# KiCad board SenseBarnacle.kicad_pcb (continued)
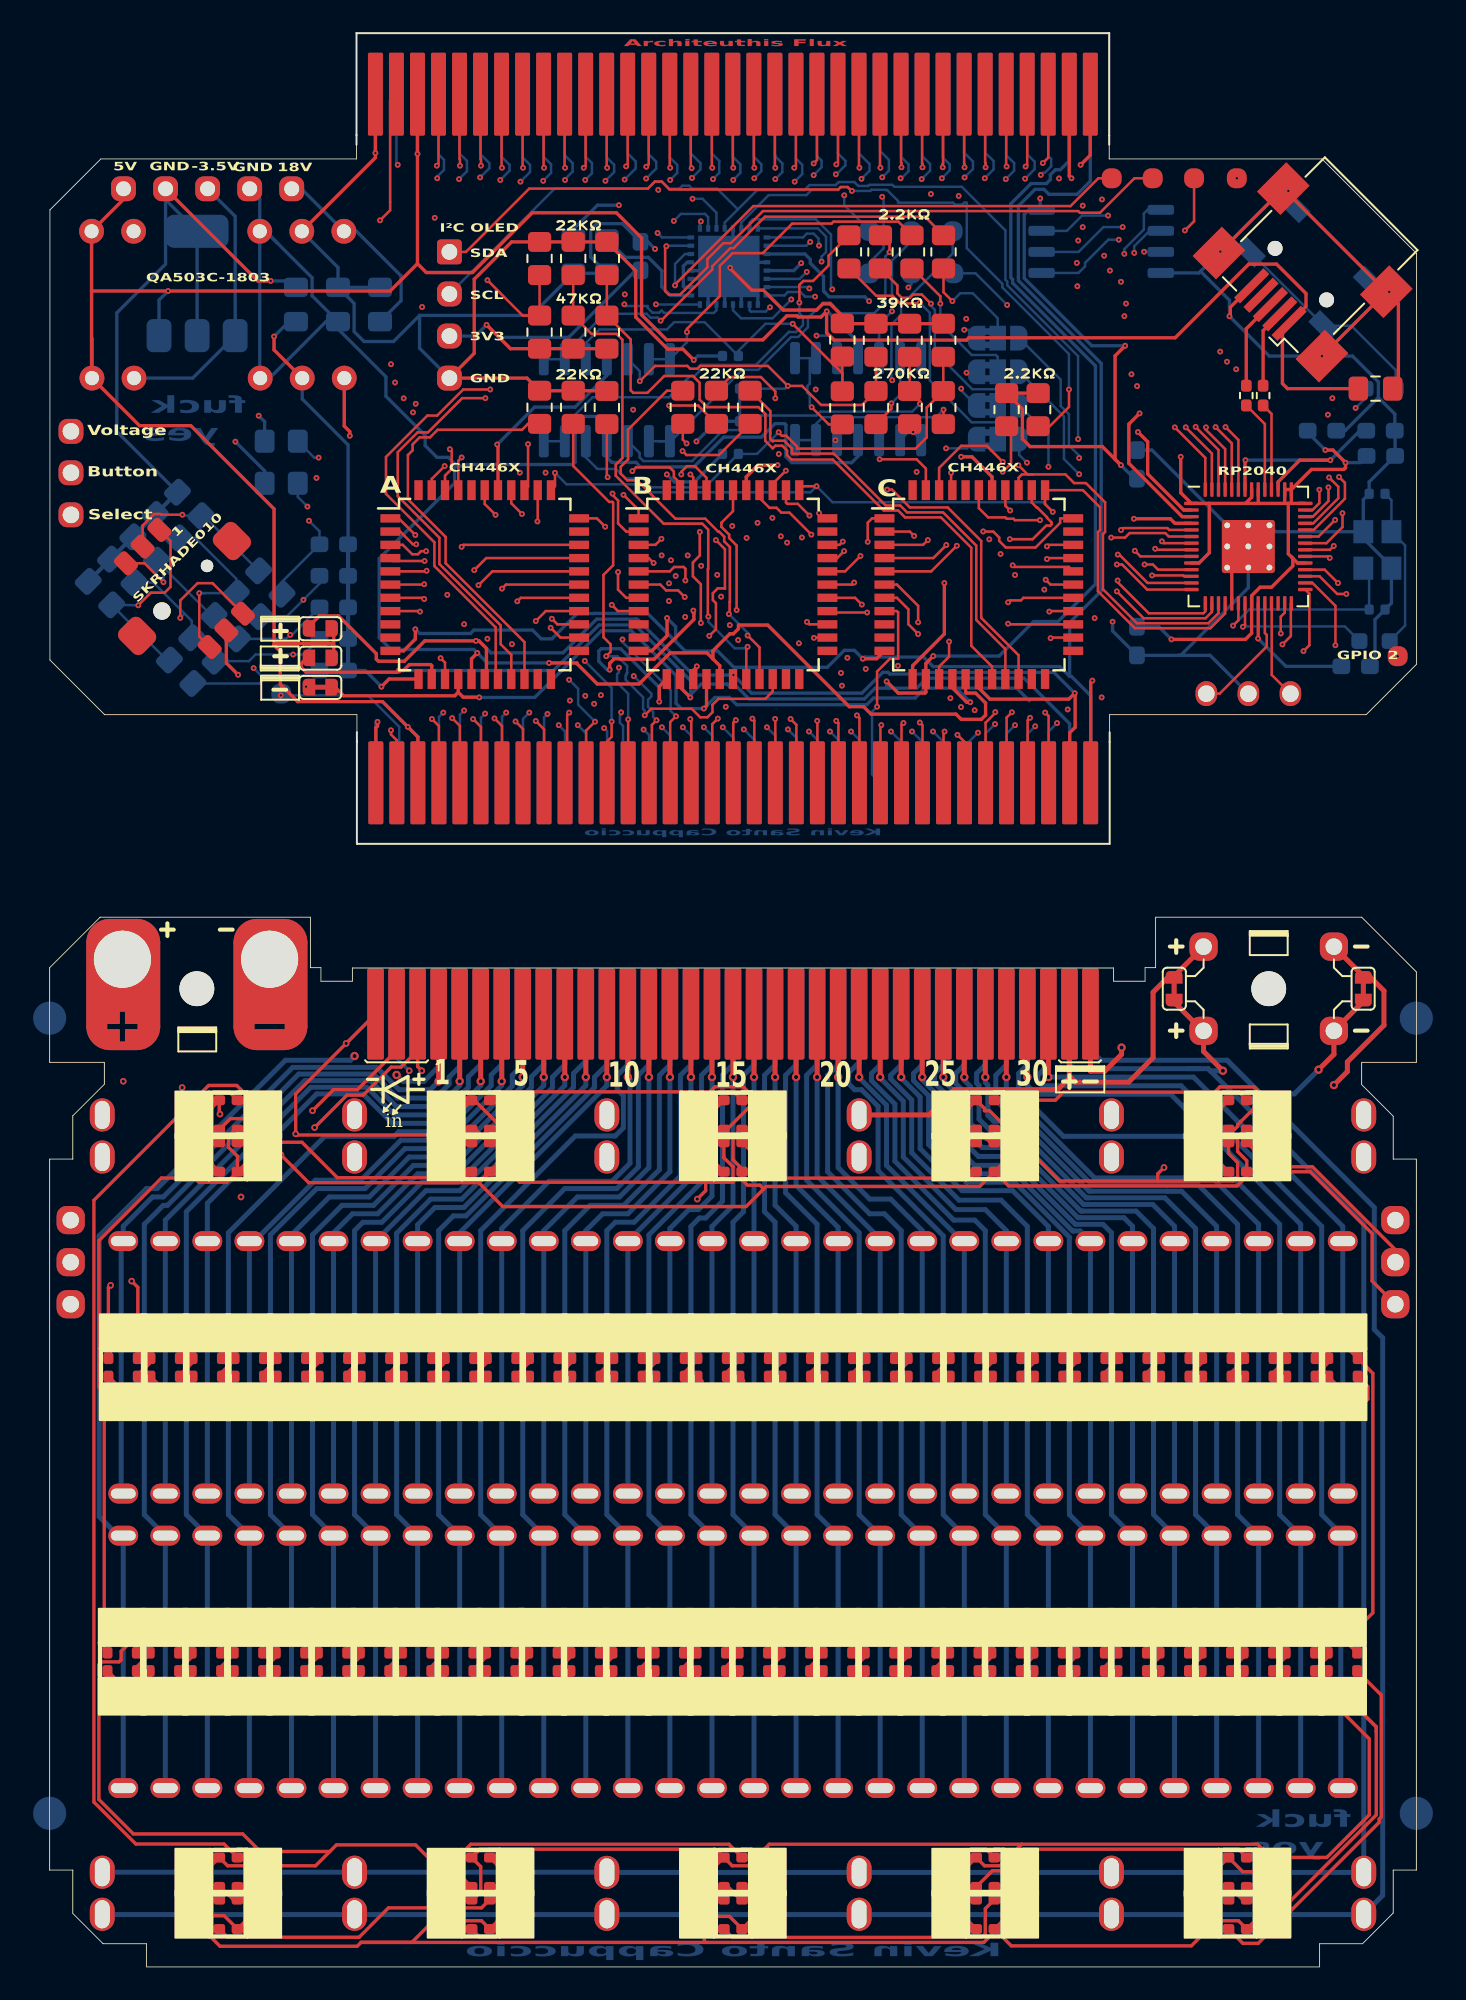
[diagram p0: board, top side]
## Footprints (pads in the part's own frame, mm; a bottom-side part is the same pattern mirrored in y, then rotated) (continued)
  rrect 1.35x1 smd rot 135: 1(-1.52,3.536) 2(-2.528,2.528) 3(-3.536,1.52) 4(3.536,-1.52) 5(2.528,-2.528) 6(1.52,-3.536)
HEE70LP03BK
  rrect 1x5.5 smd: 1(-17.78,1.524) 2(-16.51,1.524) 3(-15.24,1.524) 4(-13.97,1.524) 5(-12.7,1.524) 6(-11.43,1.524) 7(-10.16,1.524) 8(-8.89,1.524) 9(-7.62,1.524) 10(-6.35,1.524) 11(-5.08,1.524) 12(-3.81,1.524) 13(-2.54,1.524) 14(-1.27,1.524) 15(0,1.524) 16(1.27,1.524) 17(2.54,1.524) 18(3.81,1.524) 19(5.08,1.524) 20(6.35,1.524) 21(7.62,1.524) 22(8.89,1.524) 23(10.16,1.524) 24(11.43,1.524) 25(12.7,1.524) 26(13.97,1.524) 27(15.24,1.524) 28(16.51,1.524) 29(17.78,1.524) 30(19.05,1.524) 61(20.32,1.524) 62(21.59,1.524) 68(-21.59,1.524) 69(-20.32,1.524) 70(-19.05,1.524)
  rrect 1x5.5 smd far side: 31(-17.78,1.524) 32(-16.51,1.524) 33(-15.24,1.524) 34(-13.97,1.524) 35(-12.7,1.524) 36(-11.43,1.524) 37(-10.16,1.524) 38(-8.89,1.524) 39(-7.62,1.524) 40(-6.35,1.524) 41(-5.08,1.524) 42(-3.81,1.524) 43(-2.54,1.524) 44(-1.27,1.524) 45(0,1.524) 46(1.27,1.524) 47(2.54,1.524) 48(3.81,1.524) 49(5.08,1.524) 50(6.35,1.524) 51(7.62,1.524) 52(8.89,1.524) 53(10.16,1.524) 54(11.43,1.524) 55(12.7,1.524) 56(13.97,1.524) 57(15.24,1.524) 58(16.51,1.524) 59(17.78,1.524) 60(19.05,1.524) 63(20.32,1.524) 64(21.59,1.524) 65(-21.59,1.524) 66(-20.32,1.524) 67(-19.05,1.524)
HEE70LP03BK_Daughter_Penis
  rrect 0.9x5 smd far side: 1(-17.78,-2.667) 2(-16.51,-2.667) 3(-15.24,-2.667) 4(-13.97,-2.667) 5(-12.7,-2.667) 6(-11.43,-2.667) 7(-10.16,-2.667) 8(-8.89,-2.667) 9(-7.62,-2.667) 10(-6.35,-2.667) 11(-5.08,-2.667) 12(-3.81,-2.667) 13(-2.54,-2.667) 14(-1.27,-2.667) 15(0,-2.667) 16(1.27,-2.667) 17(2.54,-2.667) 18(3.81,-2.667) 19(5.08,-2.667) 20(6.35,-2.667) 21(7.62,-2.667) 22(8.89,-2.667) 23(10.16,-2.667) 24(11.43,-2.667) 25(12.7,-2.667) 26(13.97,-2.667) 27(15.24,-2.667) 28(16.51,-2.667) 29(17.78,-2.667) 30(19.05,-2.667) 61(20.32,-2.667) 62(21.59,-2.667) 68(-21.59,-2.667) 69(-20.32,-2.667) 70(-19.05,-2.667)
  rrect 0.9x5 smd: 31(-17.78,-2.667) 32(-16.51,-2.667) 33(-15.24,-2.667) 34(-13.97,-2.667) 35(-12.7,-2.667) 36(-11.43,-2.667) 37(-10.16,-2.667) 38(-8.89,-2.667) 39(-7.62,-2.667) 40(-6.35,-2.667) 41(-5.08,-2.667) 42(-3.81,-2.667) 43(-2.54,-2.667) 44(-1.27,-2.667) 45(0,-2.667) 46(1.27,-2.667) 47(2.54,-2.667) 48(3.81,-2.667) 49(5.08,-2.667) 50(6.35,-2.667) 51(7.62,-2.667) 52(8.89,-2.667) 53(10.16,-2.667) 54(11.43,-2.667) 55(12.7,-2.667) 56(13.97,-2.667) 57(15.24,-2.667) 58(16.51,-2.667) 59(17.78,-2.667) 60(19.05,-2.667) 63(20.32,-2.667) 64(21.59,-2.667) 65(-21.59,-2.667) 66(-20.32,-2.667) 67(-19.05,-2.667)
HEE70LP03BK_Daughter_Penis_Top
  rrect 0.9x5 smd far side: 1(-17.78,2.54) 2(-16.51,2.54) 3(-15.24,2.54) 4(-13.97,2.54) 5(-12.7,2.54) 6(-11.43,2.54) 7(-10.16,2.54) 8(-8.89,2.54) 9(-7.62,2.54) 10(-6.35,2.54) 11(-5.08,2.54) 12(-3.81,2.54) 13(-2.54,2.54) 14(-1.27,2.54) 15(0,2.54) 16(1.27,2.54) 17(2.54,2.54) 18(3.81,2.54) 19(5.08,2.54) 20(6.35,2.54) 21(7.62,2.54) 22(8.89,2.54) 23(10.16,2.54) 24(11.43,2.54) 25(12.7,2.54) 26(13.97,2.54) 27(15.24,2.54) 28(16.51,2.54) 29(17.78,2.54) 30(19.05,2.54) 61(20.32,2.54) 62(21.59,2.54) 68(-21.59,2.54) 69(-20.32,2.54) 70(-19.05,2.54)
  rrect 0.9x5 smd: 31(-17.78,2.54) 32(-16.51,2.54) 33(-15.24,2.54) 34(-13.97,2.54) 35(-12.7,2.54) 36(-11.43,2.54) 37(-10.16,2.54) 38(-8.89,2.54) 39(-7.62,2.54) 40(-6.35,2.54) 41(-5.08,2.54) 42(-3.81,2.54) 43(-2.54,2.54) 44(-1.27,2.54) 45(0,2.54) 46(1.27,2.54) 47(2.54,2.54) 48(3.81,2.54) 49(5.08,2.54) 50(6.35,2.54) 51(7.62,2.54) 52(8.89,2.54) 53(10.16,2.54) 54(11.43,2.54) 55(12.7,2.54) 56(13.97,2.54) 57(15.24,2.54) 58(16.51,2.54) 59(17.78,2.54) 60(19.05,2.54) 63(20.32,2.54) 64(21.59,2.54) 65(-21.59,2.54) 66(-20.32,2.54) 67(-19.05,2.54)
LED_WS2812B-2020_PLCC4_2.0x2.0mm
  rrect 0.7x0.6 smd: 1(-0.55,-0.889) 2(0.55,-0.889) 3(0.55,0.889) 4(-0.55,0.889)
LQFP44_Tight
  rect 1.2x0.5 smd: 1(-6.106,3.599) 2(-6.106,2.799) 3(-6.106,1.999) 4(-6.106,1.199) 5(-6.106,0.399) 6(-6.106,-0.401) 7(-6.106,-1.201) 8(-6.106,-2.001) 9(-6.106,-2.801) 10(-6.106,-3.601) 11(-6.106,-4.401) 23(5.294,-4.401) 24(5.294,-3.601) 25(5.294,-2.801) 26(5.294,-2.001) 27(5.294,-1.201) 28(5.294,-0.401) 29(5.294,0.399) 30(5.294,1.199) 31(5.294,1.999) 32(5.294,2.799) 33(5.294,3.599)
  rect 0.5x1.2 smd: 12(-4.406,-6.101) 13(-3.606,-6.101) 14(-2.806,-6.101) 15(-2.006,-6.101) 16(-1.206,-6.101) 17(-0.406,-6.101) 18(0.394,-6.101) 19(1.194,-6.101) 20(1.994,-6.101) 21(2.794,-6.101) 22(3.594,-6.101) 34(3.594,5.299) 35(2.794,5.299) 36(1.994,5.299) 37(1.194,5.299) 38(0.394,5.299) 39(-0.406,5.299) 40(-1.206,5.299) 41(-2.006,5.299) 42(-2.806,5.299) 43(-3.606,5.299) 44(-4.406,5.299)
MountingHole_2.7mm_M2.5
  round 2.1 hole 2.1 unplated: (0,0)
Pad_Clip_Banana_Minus
  round 4 hole 3.45: 1(0,0)
Pad_Clip_Banana_PlusSmaller
  round 4 hole 3.45: 1(0,0)
PINHEADER-1x1_vertical
  rrect 1.5x1.5 hole 1: 1(0,0)
PinHeader_1x01_P2.54mm_Vertical_Rounded
  rrect 1.7x1.7 hole 1: 1(0,0)
PinHeader_1x03_P2.54mm_Vertical
  oval 1.5x1.3 hole 1: 1(0,0) 2(0,-2.54) 3(0,-5.08)
PinHeader_1x04_P2.54mm_Vertical
  rrect 1.5x1.5 hole 0.95: 1(0,0) 2(0,-2.54) 3(0,-5.08) 4(0,-7.62)
PinHeader_1x05_P2.54mm_Vertical
  rrect 1.5x1.5 hole 0.9: 1(0,0) 2(0,-2.54) 3(0,-5.08) 4(0,-7.62) 5(0,-10.16)
QA503C
  round 1.5 hole 0.85: 1(-7.62,0) 2(-5.08,0) 3(2.54,0) 4(5.08,0) 5(7.62,0)
R_0402_1005Metric_Pad0.72x0.64mm_HandSolder
  rrect 0.715x0.64 smd: 1(-0.598,0) 2(0.598,0)
R_0603_1608Metric_Pad0.98x0.95mm_HandSolder
  rrect 0.975x0.95 smd: 1(-0.912,0) 2(0.912,0)
R_0805_2012Metric_Pad1.20x1.40mm_HandSolder
  rrect 1.2x1.4 smd: 1(-1,0) 2(1,0)
RP2040-QFN-56
  rrect 1.084x1.084 smd: (-0.637,0.637) (-0.637,-0.637) (0.637,0.637) (0.637,-0.637)
  rrect 0.875x0.2 smd: 1(-3.438,2.6) 2(-3.438,2.2) 3(-3.438,1.8) 4(-3.438,1.4) 5(-3.438,1) 6(-3.438,0.6) 7(-3.438,0.2) 8(-3.438,-0.2) 9(-3.438,-0.6) 10(-3.438,-1) 11(-3.438,-1.4) 12(-3.438,-1.8) 13(-3.438,-2.2) 14(-3.438,-2.6) 29(3.438,-2.6) 30(3.438,-2.2) 31(3.438,-1.8) 32(3.438,-1.4) 33(3.438,-1) 34(3.438,-0.6) 35(3.438,-0.2) 36(3.438,0.2) 37(3.438,0.6) 38(3.438,1) 39(3.438,1.4) 40(3.438,1.8) 41(3.438,2.2) 42(3.438,2.6)
  rrect 0.2x0.875 smd: 15(-2.6,-3.438) 16(-2.2,-3.438) 17(-1.8,-3.438) 18(-1.4,-3.438) 19(-1,-3.438) 20(-0.6,-3.438) 21(-0.2,-3.438) 22(0.2,-3.438) 23(0.6,-3.438) 24(1,-3.438) 25(1.4,-3.438) 26(1.8,-3.438) 27(2.2,-3.438) 28(2.6,-3.438) 43(2.6,3.438) 44(2.2,3.438) 45(1.8,3.438) 46(1.4,3.438) 47(1,3.438) 48(0.6,3.438) 49(0.2,3.438) 50(-0.2,3.438) 51(-0.6,3.438) 52(-1,3.438) 53(-1.4,3.438) 54(-1.8,3.438) 55(-2.2,3.438) 56(-2.6,3.438)
  round 0.6 hole 0.35: 57(-1.275,1.275) 57(-1.275,0) 57(-1.275,-1.275) 57(0,1.275) 57(0,0) 57(0,-1.275) 57(1.275,1.275) 57(1.275,0) 57(1.275,-1.275)
  rrect 3.2x3.2 smd: 57(0,0)
SOIC-8_5.23x5.23mm_P1.27mm
  rrect 1.6x0.6 smd: 1(-3.6,1.905) 2(-3.6,0.635) 3(-3.6,-0.635) 4(-3.6,-1.905) 5(3.6,-1.905) 6(3.6,-0.635) 7(3.6,0.635) 8(3.6,1.905)
SOIC-14_3.9x8.7mm_P1.27mm
  rrect 1.95x0.6 smd: 1(-2.475,3.81) 2(-2.475,2.54) 3(-2.475,1.27) 4(-2.475,0) 5(-2.475,-1.27) 6(-2.475,-2.54) 7(-2.475,-3.81) 8(2.475,-3.81) 9(2.475,-2.54) 10(2.475,-1.27) 11(2.475,0) 12(2.475,1.27) 13(2.475,2.54) 14(2.475,3.81)
SolderJumper-3_P1.3mm_Bridged2Bar12_RoundedPad1.0x1.5mm
  custom 1.05x1.5 smd: 1(-1.3,0) 3(1.3,0)
  rect 1x1.5 smd: 2(0,0)
SolderJumper_2_Bridged_Small
  custom 1.704x1.016 smd: 1(-0.813,0)
  custom 0.762x1.016 smd: 2(0.813,0)
SolderJumper_2_Open_Small
  custom 0.75x1 smd: 1(-0.813,-0.007) 2(0.813,-0.007)
SOT-223-3_TabPin2
  rrect 2x1.5 smd: 1(-3.15,2.3) 2(-3.15,0) 3(-3.15,-2.3)
  rrect 2x3.8 smd: 2(3.15,0)
SW_SPST_TL3342
  rect 1.7x1 smd: 1(-3.15,1.9) 1(3.15,1.9) 2(-3.15,-1.9) 2(3.15,-1.9)
TestPoint_D0.75mm
  rrect 1.2x1.2 smd: 1(0,0)
unnamed
  round 2 smd far side: 1(0,0)
USB_Mini-B_Wuerth_65100516121_Horizontal
  round 0.9 hole 0.9 unplated: (-2.2,0) (2.2,0)
  rect 0.5x2.5 smd: 1(-1.6,2.6) 2(-0.8,2.6) 3(0,2.6) 4(0.8,2.6) 5(1.6,2.6)
  rect 2x2.5 smd: 6(-4.4,2.6) 6(-4.4,-2.9) 6(4.4,2.6) 6(4.4,-2.9)

## Nets
+1V1: C3.1 C4.1 U9.23 U9.45 U9.50
+3V3: C2.1 C5.1 C9.1 C10.1 C11.1 C12.1 J3.2 J5.3 R5.2 R8.1 R18.1 R20.1 R29.2 R31.2 R33.2 R35.1 R36.1 R37.2 U3.2 U6.3 U8.8 U9.1 U9.10 U9.22 U9.33 U9.42 U9.43 U9.44 U9.48 U9.49
+18V: C8.1 J3.5 U2.4 U5.5 U12.5 U13.38 U14.38 U15.38
-3.5V: C13.2 J3.4 U1.11 U2.11 U5.3 U12.3 U13.16 U14.16 U15.16
1: J6.31 J7.31 U13.31
2: J6.32 J7.32 U13.30
3: J6.33 J7.33 U13.29
4: J6.34 J7.34 U13.28
5: J6.35 J7.35 U13.27
6: J6.36 J7.36 U13.26
7: J6.37 J7.37 U13.3
8: J6.38 J7.38 U13.4
9: J6.39 J7.39 U13.5
10: J6.40 J7.40 U13.6
11: J6.41 J7.41 U13.7
12: J6.42 J7.42 U13.8
13: J6.43 J7.43 U13.25
14: J6.44 J7.44 U13.24
15: J6.45 J7.45 U13.1
16: J6.46 J7.46 U13.2
17: J6.47 J7.47 U13.33
18: J6.48 J7.48 U13.35
19: J6.49 J7.49 U13.37
20: J6.50 J7.50 U13.39
21: J6.51 J7.51 U14.31
22: J6.52 J7.52 U14.30
23: J6.53 J7.53 U14.29
24: J6.54 J7.54 U14.28
25: J6.55 J7.55 U14.27
26: J6.56 J7.56 U14.26
27: J6.57 J7.57 U14.3
28: J6.58 J7.58 U14.4
29: J6.59 J7.59 U14.5
30: J6.60 J7.60 U14.6
31: J6.1 J7.1 U14.7
32: J6.2 J7.2 U14.8
33: J6.3 J7.3 U14.25
34: J6.4 J7.4 U14.24
35: J6.5 J7.5 U14.1
36: J6.6 J7.6 U14.2
37: J6.7 J7.7 U14.33
38: J6.8 J7.8 U14.35
39: J6.9 J7.9 U14.37
40: J6.10 J7.10 U14.39
41: J6.11 J7.11 U15.31
42: J6.12 J7.12 U15.30
43: J6.13 J7.13 U15.29
44: J6.14 J7.14 U15.28
45: J6.15 J7.15 U15.27
46: J6.16 J7.16 U15.26
47: J6.17 J7.17 U15.3
48: J6.18 J7.18 U15.4
49: J6.19 J7.19 U15.5
50: J6.20 J7.20 U15.6
51: J6.21 J7.21 U15.7
52: J6.22 J7.22 U15.8
53: J6.23 J7.23 U15.25
54: J6.24 J7.24 U15.24
55: J6.25 J7.25 U15.1
56: J6.26 J7.26 U15.2
57: J6.27 J7.27 U15.33
58: J6.28 J7.28 U15.35
59: J6.29 J7.29 U15.37
60: J6.30 J7.30 U15.39
/QSPI_SCLK: U8.6 U9.52
/QSPI_SD0: U8.5 U9.53
/QSPI_SD1: U8.2 U9.55
/QSPI_SD2: U8.3 U9.54
/QSPI_SD3: U8.7 U9.51
/QSPI_SS: R4.1 U8.1 U9.56
/RUN: U9.26
/SWCLK: J2.1 U9.24
/SWD: J2.3 U9.25
/USB_D+: J1.3 R1.1
/USB_D-: J1.2 R2.1
/XIN: C6.1 U9.20 Y1.1
/XOUT: R7.1 U9.21
/~{USB_BOOT}: R4.2 SW1.2
ADC_0: JP5.1 U6.16
ADC_0_RP: JP5.3 U9.38
ADC_1: JP4.1 U6.14
ADC_1_RP: JP4.3 U9.39
ADC_2: JP3.1 U6.12
ADC_2_RP: JP3.3 U9.40
ADC_3: JP2#2.1 U6.10
ADC_3_RP: JP2#2.3 U9.41
AOUT1L: R23.2 TP4.1 U6.22
AOUT1R: R22.2 TP3.1 U6.23
AOUT2L: R24.2 TP2.1 U6.24
AOUT2R: TP1.1 U6.25
BICK: U6.7 U9.11
BOTTOM_RAIL_NEG: J6.62 J7.62 U13.11 U14.11 U15.11
BOTTOM_RAIL_POS: J6.61 J7.61 JP6.1 U13.13 U14.13 U15.13
Button_Probe: R28.2 TP7.1
CAD/CSN: U6.27 U9.7
CLK: U9.18 U13.34 U14.34 U15.34
CS_A: U9.27 U13.14
CS_B: U9.28 U14.14
CS_C: U9.29 U15.14
DATA: U9.17 U13.36 U14.36 U15.36
GPI0_2: TP16#2.1 U9.4
I2C_SCL: J5.2 R36.2 U6.28 U9.32
I2C_SDA: J5.1 R35.2 U6.30 U9.31
LED_5V: C1.1 D1.4 D2.4 D3.4 D4.4 D5.4 D6.4 D7.4 D8.4 D9.4 D10.4 D11.4 D12.4 D13.4 D14.4 D15.4 D16.4 D17.4 D18.4 D19.4 D20.4 D21.4 D22.4 D23.4 D24.4 D25.4 D26.4 D27.4 D28.4 D29.4 D30.4 D31.4 D32.4 D33.4 D34.4 D35.4 D36.4 D37.4 D38.4 D39.4 D40.4 D41.4 D42.4 D43.4 D44.4 D45.4 D46.4 D47.4 D48.4 D49.4 D50.4 D51.4 D52.4 D53.4 D54.4 D55.4 D56.4 D57.4 D58.4 D59.4 D60.4 D71.4 D72.4 D73.4 D74.4 D75.4 D76.4 D77.4 D78.4 D79.4 D80.4 D81.4 D82.4 D83.4 D84.4 D85.4 D86.4 D87.4 D88.4 D89.4 D90.4 J1.1 J1#2.67 J1#2.70 J3.1 J6.67 J6.70 J7.67 J7.70 JP1.2 JP6.2 TP21.1 TP22.1 U1.4 U3.3 U5.1 U12.1
LED_DATA_IN: J6.69 J7.69 TP21#2.1 U9.37
LED_GND: C1.2 C2.2 C3.2 C4.2 C5.2 C6.2 C7.2 C8.2 C9.2 C10.2 C11.2 C12.2 C13.1 C14.2 C15.2 C16.2 C17.2 C18.2 C19.2 C20.2 C21.1 C22.1 C23.2 C25.2 D1.2 D2.2 D3.2 D4.2 D5.2 D6.2 D7.2 D8.2 D9.2 D10.2 D11.2 D12.2 D13.2 D14.2 D15.2 D16.2 D17.2 D18.2 D19.2 D20.2 D21.2 D22.2 D23.2 D24.2 D25.2 D26.2 D27.2 D28.2 D29.2 D30.2 D31.2 D32.2 D33.2 D34.2 D35.2 D36.2 D37.2 D38.2 D39.2 D40.2 D41.2 D42.2 D43.2 D44.2 D45.2 D46.2 D47.2 D48.2 D49.2 D50.2 D51.2 D52.2 D53.2 D54.2 D55.2 D56.2 D57.2 D58.2 D59.2 D60.2 D71.2 D72.2 D73.2 D74.2 D75.2 D76.2 D77.2 D78.2 D79.2 D80.2 D81.2 D82.2 D83.2 D84.2 D85.2 D86.2 D87.2 D88.2 D89.2 D90.2 J1.5 J1.6 J1#2.65 J1#2.68 J2.2 J3.3 J5.4 J6.65 J6.68 J7.65 J7.68 JP7.1 R3.2 R9.2 R11.2 R13.2 R15.2 R17.2 R19.2 R21.2 R25.2 R26.2 SW1.1 TP20.1 TP23.1 U3.1 U4.5 U5.2 U5.4 U6.4 U6.9 U6.11 U6.13 U6.15 U6.19 U6.20 U6.29 U6.33 U8.4 U9.19 U9.57 U12.2 U12.4 U13.12 U14.12 U15.12 Y1.2 Y1.4
LED_OUT: D90.1 J1#2.66 J6.66 J7.66 TP15.1
LRCK: U6.6 U9.12
MCK: U6.8 U9.9
PDN: U6.26 U9.8
RESET: U9.36 U13.41 U14.41 U15.41
SDIN1: U6.1 U9.13
SDIN2: U6.2 U9.14
SDOUT1: U6.31 U9.16
SDOUT2: U6.32 U9.15
Select_Probe: R27.2 TP6.1
SW_A: C18.1 R6.1 U9.5
SW_B: C23.1 R34.1 U9.6
SW_C: C20.1 R32.1 U9.34
SW_D: C25.1 R38.1 U9.35
SW_PUSH: C19.1 R30.1 U9.30
TOP_RAIL_NEG: J6.64 J7.64 JP7.2 U13.15 U14.15 U15.15
TOP_RAIL_POS: J6.63 J7.63 JP1.1 U13.17 U14.17 U15.17
Voltage_Probe: TP13.1 U1.12
Y0_A: TP10.1 U1.3 U13.43
Y0_B: TP11.1 U1.5 U14.43
Y0_C: TP12.1 U1.10 U15.43
Y3_A: TP5.1 U13.42
Y3_B: TP14.1 U14.42
Y3_C: TP15#2.1 U15.42
Net-(C7-Pad1): C7.1 R7.2 Y1.3
Net-(JP2-C): JP2#2.2 R42.1
Net-(JP3-C): JP3.2 R41.1
Net-(JP4-C): JP4.2 R40.1
Net-(JP5-C): JP5.2 R39.1
Net-(U1A--): R10.1 U1.1 U1.2
Net-(U1B--): R12.1 U1.6 U1.7
Net-(U1C--): R14.1 U1.8 U1.9
Net-(U1D--): R16.1 U1.13 U1.14
Net-(U2A-+): C14.1 R10.2 R11.1 U2.3
Net-(U2A--): R39.2 U2.1 U2.2
Net-(U2B-+): C15.1 R12.2 R13.1 U2.5
Net-(U2B--): R40.2 U2.6 U2.7
Net-(U2C-+): C16.1 R14.2 R15.1 U2.10
Net-(U2C--): R41.2 U2.8 U2.9
Net-(U2D-+): C17.1 R16.2 R17.1 U2.12
Net-(U2D--): R42.2 U2.13 U2.14
Net-(U4-A): R5.1 R6.2 U4.1
Net-(U4-B): R33.1 R34.2 U4.4
Net-(U4-C): R31.1 R32.2 U4.3
Net-(U4-Center): R29.1 R30.2 U4.2
Net-(U4-D): R37.1 R38.2 U4.6
Net-(U6-AVDD): U6.18 U6.21
Net-(U6-AVDRV): C21.2 U6.5
Net-(U6-VCOM): C22.2 U6.17
Net-(U9-GPIO0): R27.1 U9.2
Net-(U9-GPIO1): R28.1 U9.3
Net-(U9-USB_DM): R2.2 U9.46
Net-(U9-USB_DP): R1.2 U9.47
Net-(U13-Y1): R20.2 R21.1 U13.18
Net-(U13-Y2): R22.1 U13.19
Net-(U13-Y4): R25.1 U13.20
Net-(U14-Y1): R8.2 R9.1 U14.18
Net-(U14-Y2): R23.1 U14.19
Net-(U14-Y4): R3.1 U14.20
Net-(U15-Y1): R18.2 R19.1 U15.18
Net-(U15-Y2): R24.1 U15.19
Net-(U15-Y4): R26.1 U15.20

Pads without a net: D1 1 3; D2 1 3; D3 1 3; D4 1 3; D5 1 3; D6 1 3; D7 1 3; D8 1 3; D9 1 3; D10 1 3; D11 1 3; D12 1 3; D13 1 3; D14 1 3; D15 1 3; D16 1 3; D17 1 3; D18 1 3; D19 1 3; D20 1 3; D21 1 3; D22 1 3; D23 1 3; D24 1 3; D25 1 3; D26 1 3; D27 1 3; D28 1 3; D29 1 3; D30 1 3; D31 1 3; D32 1 3; D33 1 3; D34 1 3; D35 1 3; D36 1 3; D37 1 3; D38 1 3; D39 1 3; D40 1 3; D41 1 3; D42 1 3; D43 1 3; D44 1 3; D45 1 3; D46 1 3; D47 1 3; D48 1 3; D49 1 3; D50 1 3; D51 1 3; D52 1 3; D53 1 3; D54 1 3; D55 1 3; D56 1 3; D57 1 3; D58 1 3; D59 1 3; D60 1 3; D71 1 3; D72 1 3; D73 1 3; D74 1 3; D75 1 3; D76 1 3; D77 1 3; D78 1 3; D79 1 3; D80 1 3; D81 1 3; D82 1 3; D83 1 3; D84 1 3; D85 1 3; D86 1 3; D87 1 3; D88 1 3; D89 1 3; D90 3; J1 4; J1#2 1 2 3 4 5 6 7 8 9 10 11 12 13 14 15 16 17 18 19 20 21 22 23 24 25 26 27 28 29 30 31 32 33 34 35 36 37 38 39 40 41 42 43 44 45 46 47 48 49 50 51 52 53 54 55 56 57 58 59 60 61 62 63 64 69; J11 1 2 3 4 5 6 7 8 9 10 11 12 13 14 15 16 17 18 19 20 21 22 23 24 25 26 27 28 29 30 31 32 33 34 35 36 37 38 39 40 41 42 43 44 45 46 47 48 49 50 51 52 53 54 55 56 57 58 59 60 61 62 63 64; JP1#2 1 2; JP2 1 2; NOREF 1; NOREF#2 1; NOREF#3 1; NOREF#4 1; TP16 1; TP24 1; TP25 1; TP26 1; TP27 1; TP29 1; TP31 1; U13 9 10 21 22 23 32 40 44; U14 9 10 21 22 23 32 40 44; U15 9 10 21 22 23 32 40 44

## Via types
v1: diameter 0.5, hole 0.25, Top to Bottom, 36 vias
v2: diameter 0.4, hole 0.2, Top to Bottom, 24 vias
v3: diameter 0.35, hole 0.15, Top to Bottom, 483 vias

## Routing (per net, layer and track width the routed paths; a pad name or vN(x,y) marks a point on that pad's centre or on a via; arc(x,y) is an arc through that point)
+1V1: length 32.9
  Top w0.2: U9.50 72.2,90.94 v3(72.23,90.97) ; U9.45 74.2,89.66 75.51,90.97 v3(77.36,90.97) ; U9.23 73,80.21 v3(72.99,80.2)
  In2.Cu w0.2: v3(72.99,80.2) 72.99,90.2 v3(72.23,90.97)
  Bottom w0.2: v3(72.99,80.2) 74.67,78.52 C4.1 ; C3.1 79.14,92.74 v3(77.36,90.97) v3(72.23,90.97)
+3V3: length 227.5
  Top w0.2: v3(26.39,99.14) 27.83,97.7 R20.1 R18.1 ; 74.82,88.35 75.02,88.35 ; 74.82,88.35 74.82,85.31 75.01,85.12 ; 74.82,88.35 74.62,88.35 ; 75.02,88.35 75,88.38 U9.43 ; 75.02,88.35 U9.42 ; v3(13.35,101.79) 12.56,101.79 J3.2 ; R35.1 R36.1 58.76,94.06 58.76,92.25 59.22,91.79 63.58,91.79 v3(64.71,90.66) 64.35,91.02 64.35,97.27 v3(64.96,97.88) ; U9.33 75.38,84.75 75.01,85.12 ; 75.01,85.12 75.09,85.04 75.09,84.58 73.8,83.3 73.12,83.3 72.6,82.78 U9.22 72.6,80.52 72.23,80.15 v3(67.76,80.15) ; 74.62,88.35 74.6,88.37 U9.44 U9.43 ; 74.62,88.35 72.99,88.35 ; U9.10 69.43,84.75 70.04,85.37 70.04,88.35 ; 70.04,88.35 U9.1 68.32,89 v3(68.32,91.17) ; 70.04,88.35 72.23,88.35 ; 72.23,88.35 72.99,88.35 ; 72.23,88.35 72.6,88.73 U9.49 ; 72.99,88.35 73,88.37 U9.48 ; U9.43 76.22,90.41 78.17,90.41 78.27,90.51 v3(78.27,90.81) 77.51,91.58 v3(77.05,91.58)
  In1.Cu w0.2: v3(64.71,90.66) 65.22,91.17 v3(68.32,91.17) ; v3(13.35,101.79) 16.68,98.46 J5.3 ; v3(59.83,106.77) 59.73,106.87 58.41,106.87 58.36,106.92 v3(54.91,106.92) 53.35,106.92 v3(53.23,107.04) ; v3(55.36,99.5) 55.69,99.17 55.69,98.65 55.42,98.38 50.3,98.38 49.78,97.86 45.98,97.86 45.59,97.48 44.17,97.48 43.93,97.71 43.4,97.71 41.96,99.15 38.31,99.15 37.54,98.38 27.14,98.38 v3(26.39,99.14)
  In2.Cu w0.2: v3(55.36,99.5) 55.06,99.81 55.06,106.77 v3(54.91,106.92) ; v3(49.5,100.56) 49.88,100.94 49.88,103.57 53.23,106.92 v3(53.23,107.04)
  Bottom w0.2: C2.1 14.49,101.79 v3(13.35,101.79) ; C10.1 79.14,90.81 v3(78.27,90.81) ; v3(64.96,97.88) 62.94,97.88 58.87,101.95 58.87,105.8 59.15,106.08 U8.8 59.83,106.16 v3(59.83,106.77) ; C5.1 35.39,102.42 31.35,98.38 27.14,98.38 v3(26.39,99.14) 25.71,98.46 J5.3 ; C12.1 65.52,89.85 v3(64.71,90.66) ; C9.1 75.99,92.64 v3(77.05,91.58) ; U3.2 U3.2 7,106.69 J3.2 7,102.8 4.05,99.86 4.05,92.7 R29.2 ; C11.1 67,80.91 v3(67.76,80.15) ; v3(49.5,100.56) 49.24,100.83 47.09,100.83 46.82,101.09 46.82,101.1 46.74,101.18 46.74,102.06 45.94,102.86 45.94,103.09 45.62,103.41 U6.3
  Bottom w0.25: R5.2 R29.2
+18V: length 84
  Top w0.2: v3(43.97,90.67) 42.79,90.67 42.08,89.95 U14.38 ; U13.38 27.08,91.86 v3(27.03,91.91) ; v3(18.13,92.44) 18.13,92.69 17.8,93.02 U12.5 ; U15.38 56.92,89.95 55.71,91.17 v3(55.06,91.17)
  In1.Cu w0.2: v3(55.06,91.17) 55.06,91.93 54.85,92.14 49.67,92.14 49.26,91.72 44.4,91.72 44.26,91.86 43.82,91.86 43.52,91.55 43.52,91.37 43.5,91.35 43.5,91.14 v3(43.97,90.67) 42.09,92.55 38.25,92.55 38.09,92.39 27.51,92.39 v3(27.03,91.91) 26.79,92.15 23.95,92.15 23.65,91.84 18.72,91.84 v3(18.13,92.44)
  In2.Cu w0.2: U12.5 17.77,95.95 U5.5
  Bottom w0.2: U2.4 33.66,96.08 31.74,94.17 29.29,94.17 v3(27.03,91.91) ; C8.1 21.22,100.6 21.22,102.09 18.53,104.78 U5.5 15.21,107.35 J3.5
-3.5V: length 133
  Top w0.2: 40.06,78.97 40.48,78.55 U14.16 ; 40.06,78.97 40.06,79.46 41.09,80.48 41.3,80.48 41.61,80.79 41.61,81 41.61,81.01 43.37,81.01 48.3,76.08 49.16,76.08 49.61,75.63 54.75,75.63 55.06,75.32 56.28,75.32 56.53,75.57 56.53,76.3 55.93,76.9 55.37,76.9 55.32,76.95 U15.16 ; 40.06,78.97 39.7,79.33 37.48,79.33 35.6,77.45 33.07,77.45 31.84,78.69 31.84,78.72 v3(30.17,78.72) ; U13.16 25.48,78.97 v3(25.83,79.32)
  Bottom w0.2: v3(30.17,78.72) 26.43,78.72 v3(25.83,79.32) 25.62,79.54 20.62,79.54 19.9,80.25 19.9,85.02 24.46,89.58 24.46,90.7 ; 13.72,104.11 12.69,105.14 12.69,106.74 J3.4 ; 13.72,104.11 15.85,101.98 15.85,100.89 C13.2 ; 13.72,104.11 13.05,104.78 U5.3 12.69,95.95 U12.3 13.28,95.92 16.69,99.33 C13.2 ; 24.46,90.7 24.56,90.6 25.1,90.6 25.2,90.7 31.6,90.7 31.74,90.84 31.74,93.05 32.3,93.61 33.13,93.61 33.66,93.08 U2.11 33.66,91.13 33.96,90.83 35.41,90.83 35.68,90.56 38.92,90.56 40.71,92.36 42.99,92.36 43.81,93.17 44.4,93.17 44.47,93.1 44.47,91.18 44.84,90.81 48.44,90.81 48.83,91.2 U1.11 ; 24.46,90.7 24.46,90.75 24.08,91.14 23.39,91.14 22.68,91.85 22.68,92.45 20.31,94.83 20.31,96 17.41,98.89 C13.2
(no net): length 3716.1
  Top w0.2: D80.1 10.53,7.42 5.21,7.42 2.67,9.95 2.67,46.28 9.6,53.21 11.3,53.21 11.89,52.62 11.89,51.21 10.91,51.21 D81.3 ; D53.1 61.2,17.95 61.96,18.71 D54.3 ; D32.1 7.82,17.95 8.58,18.71 D33.3 ; D43.1 35.77,18.12 36.53,18.88 D44.3 ; D82.1 15.24,49.78 17.38,47.64 25.12,47.64 D83.3 ; D8.3 21.33,36.66 20.57,35.9 D7.1 ; D8.1 23.11,35.73 23.87,36.49 D9.3 ; D37.3 18.74,18.71 17.98,17.95 D36.1 ; D74.3 55.11,3.14 55.11,6.6 55.62,7.1 56.56,7.1 D73.1 ; D83.1 26.5,49.78 25.74,50.55 D84.3 ; D56.1 68.82,17.95 69.58,18.71 D57.3 ; D74.1 56.52,3.51 56.52,1.99 56.3,1.78 41.23,1.78 D75.3 ; D71.3 72.07,1.42 73,1.42 80.31,8.73 80.31,8.92 80.43,9.05 80.43,16.41 D60.1 ; D15.1 40.9,35.9 41.66,36.66 D16.3 ; D12.3 31.5,36.49 30.73,35.72 D11.1 ; D21.3 54.36,36.66 53.6,35.9 D20.1 ; D80.3 10.33,4.83 11.09,4.06 D79.1 ; D58.1 73.9,17.95 74.66,18.71 D59.3 ; D6.3 16.25,36.49 15.49,35.73 D5.1 ; D30.3 77.23,36.49 76.47,35.73 D29.1 ; D46.1 43.39,17.95 44.15,18.71 D47.3 ; D3.3 8.63,36.49 7.87,35.73 D2.1 ; D43.3 33.99,18.71 33.23,17.95 D42.1 ; D48.1 48.47,17.95 49.23,18.71 D49.3 ; D5.3 13.71,36.66 12.95,35.9 D4.1 ; D50.1 53.56,18.12 54.33,18.89 D51.3 ; 72.14,52.32 D89.1 71.8,52.82 70.81,52.82 70.36,52.37 70.36,48.86 D90.3 ; D14.3 36.58,36.49 35.82,35.73 D13.1 ; D40.3 26.36,18.71 25.6,17.95 D39.1 ; D72.1 71.8,7.1 58.83,7.1 57.53,5.8 56.94,5.8 D73.3 ; D26.3 67.07,36.66 66.31,35.9 D25.1 ; D77.3 24.93,5.38 24.93,6.9 25.44,7.4 41.02,7.4 D76.1 ; D13.3 34.04,36.66 33.28,35.9 D12.1 ; D45.1 40.85,18.12 41.61,18.88 D46.3 ; v2(3.68,41.15) 3.55,41.01 D1.3 ; D4.3 11.17,36.66 10.41,35.9 D3.1 ; D26.1 68.85,35.73 69.61,36.49 D27.3 ; D86.3 39.83,48.9 39.83,52.3 40.35,52.82 41.33,52.82 D85.1 ; D41.1 30.68,17.94 31.45,18.71 D42.3 ; D24.3 61.99,36.49 61.23,35.73 D23.1 ; D60.3 77.2,18.71 76.44,17.95 D59.1 ; D55.1 66.28,17.95 67.04,18.71 D56.3 ; D32.3 6.04,18.89 5.27,18.12 D31.1 ; D51.1 56.11,17.94 56.88,18.71 D52.3 ; D25.3 64.53,36.66 63.77,35.9 D24.1 ; D58.3 72.12,18.71 71.36,17.95 D57.1 ; D72.3 71.29,4.83 72.05,4.06 D71.1 ; D76.3 40.98,4.83 41.74,4.06 D75.1 ; D78.1 26.09,3.56 20.47,3.56 18.69,1.79 10.74,1.79 D79.3 ; D28.3 72.15,36.66 71.39,35.9 D27.1 ; D31.3 3.3,19.16 3.3,33.15 3.79,33.65 78.99,33.65 79.62,34.28 79.62,35.03 D30.1 ; D19.1 51.06,35.73 51.82,36.49 D20.3 ; D45.3 39.07,18.88 38.31,18.12 D44.1 ; D84.1 27.09,52.83 39.88,52.83 40.18,53.14 41.88,53.14 42.38,52.65 42.38,52.03 40.89,50.55 D85.3 ; D39.3 23.82,18.88 23.06,18.12 D38.1 ; D34.1 12.9,17.95 13.66,18.71 D35.3 ; D50.3 51.78,18.71 51.01,17.94 D49.1 ; D78.3 25.99,1.78 26.92,1.78 27.43,2.29 27.43,5.75 D77.1 ; D48.3 46.69,18.88 45.93,18.12 D47.1 ; D86.1 43.99,47.62 55.58,47.62 D87.3 ; D19.3 49.28,36.63 48.52,35.87 D18.1 ; D41.3 28.91,18.71 28.14,17.94 D40.1 ; D37.1 20.52,18.12 21.28,18.88 D38.3 ; D23.3 59.45,36.49 58.69,35.73 D22.1 ; D36.3 16.2,18.71 15.44,17.95 D35.1 ; D10.1 28.19,35.72 28.96,36.49 D11.3 ; D88.1 60.74,52.32 61.23,52.81 70.37,52.81 70.68,53.12 72.76,53.12 73.13,52.76 73.13,52.21 71.96,51.05 71.96,51.05 71.75,50.85 71.75,50.75 71.55,50.55 D89.3 ; D29.3 74.69,36.66 73.93,35.9 D28.1 ; D10.3 26.41,36.49 25.65,35.73 D9.1 ; D21.1 56.14,35.72 56.91,36.49 D22.3 ; D82.3 9.35,48.9 9.35,52.27 9.9,52.82 10.84,52.82 D81.1 ; J1#2.69 20.95,55.33 18.59,52.96 17.15,52.96 v2(15.88,51.69) ; D18.3 46.74,36.66 45.98,35.9 D17.1 ; D16.1 43.44,35.73 44.2,36.49 D17.3 ; D87.1 56.81,49.78 56.05,50.55 D88.3 ; D2.3 6.09,36.49 5.33,35.73 D1.1 ; D14.1 38.36,35.9 39.12,36.66 D15.3 ; D53.3 59.42,18.73 58.66,17.97 D52.1 ; D54.1 63.74,18.12 64.5,18.88 D55.3 ; D7.3 18.79,36.66 18.03,35.9 D6.1 ; D33.1 10.36,18.12 11.12,18.88 D34.3
  Top w0.3: J1#2.7 v1(31.11,53.72) ; J1#2.8 v1(32.39,53.72) ; J1#2.22 v1(50.16,53.72) ; v1(70.87,54.1) 69.7,55.27 TP29.1 69.65,56.52 JP1#2.1 ; J1#2.29 v1(59.05,53.72) ; TP27.1 79.3,59.87 JP2.1 79.65,59.87 80.59,58.93 80.59,56.85 78.38,54.64 78.38,54.05 v1(77.57,53.24) ; J1#2.16 v1(42.55,53.72) ; J1#2.23 v1(51.44,53.72) ; J1#2.21 v1(48.89,53.72) ; J1#2.24 v1(52.7,53.72) ; J1#2.1 v1(23.49,53.47) ; J11.61 53.12,51.43 54.64,52.96 60.88,52.96 61.59,53.67 J1#2.61 61.59,53.77 61.95,53.42 65.18,53.42 66.65,54.89 66.65,58.84 67.75,59.95 68.05,59.95 TP25.1 ; v1(76.64,54.17) 77.57,55.09 TP31.1 79.22,58.17 79.35,58.17 ; J1#2.20 v1(47.62,53.72) ; J1#2.25 v1(53.97,53.72) ; J1#2.62 62.86,54.08 63.73,54.08 64.74,55.09 v1(64.74,55.5) ; J1#2.11 v1(36.19,53.72) ; J1#2.26 v1(55.25,53.72) ; J1#2.13 v1(38.73,53.72) ; J1#2.6 v1(29.84,53.72) ; J1#2.3 v1(26.03,53.47) ; J1#2.10 v1(34.92,53.72) ; J1#2.17 v1(43.81,53.72) ; J1#2.2 v1(24.77,53.47) ; J1#2.28 v1(57.78,53.72) ; J1#2.9 v1(33.66,53.72) ; J1#2.27 v1(56.52,53.72) ; J1#2.15 v1(41.27,53.72) ; J1#2.18 v1(45.08,53.72) ; J1#2.19 v1(46.36,53.72) ; J1#2.14 v1(40,53.72) ; J1#2.12 v1(37.47,53.72) ; J1#2.30 v1(60.33,53.72) ; J1#2.5 v1(28.57,53.72) ; J1#2.4 v1(27.3,53.47)
  In1.Cu w0.2: v2(15.88,51.69) 15.31,51.12 15.31,50.11 15.05,49.84 9.28,49.84 5.66,46.23 5.66,41.1 5.14,40.57 4.26,40.57 v2(3.68,41.15) 2.67,41.15 TP16.1
  In1.Cu w0.3: v1(77.57,53.24) 76.91,52.58 68.53,52.58 65.61,55.5 v1(64.74,55.5) 66.6,53.64 66.6,51.36 J11.62 ; v1(18.41,54.99) 19.56,53.85 v1(20.95,53.85) ; J11.62 3.17,49.14 13.29,59.26 TP26.1
  In2.Cu w0.3: J11.61 15.77,54.08 6.93,54.08 4.4,56.62 TP24.1 ; J11.61 17.66,52.19 3.93,52.19 J11.61 ; J11.61 J11.61 34.1,51.88 48.45,51.88 J11.61 J11.61 64.64,50.93 78.88,50.93 J11.61 ; J11.62 3.55,48.52 18.04,48.52 J11.62 J11.62 J11.62 J11.62 J11.62
  Bottom w0.3: J11.35 J11.35 13.34,27.3 13.34,44.2 16.13,46.99 19.05,46.99 21.46,49.4 24.16,49.4 27.94,53.18 27.94,53.83 28.57,54.46 J1#2.5 ; v1(53.97,53.72) 53.97,53.52 54.63,52.87 54.63,50.4 56.1,48.93 58.42,48.93 62.12,45.23 62.23,45.23 64.89,45.23 65.41,44.71 J11.25 J11.25 ; J11.15 J11.15 40,44.7 41.27,45.97 v1(41.27,53.72) ; J1#2.29 59.05,54.46 58.53,53.94 58.53,52.85 61.23,50.14 68.98,50.14 74.3,44.83 74.3,27.3 J11.59 J11.59 ; J1#2.9 33.66,54.46 32.91,53.72 32.91,53.1 25.15,45.34 24.38,45.34 23.49,44.45 23.49,27.3 J11.39 J11.39 ; v1(76.64,54.17) 75.18,52.7 73.15,52.7 71.12,54.74 ; J11.40 J11.40 26.03,27.3 26.03,44.45 31.75,50.16 34.16,50.16 34.66,50.66 34.66,52.59 34.29,52.96 34.29,53.83 34.92,54.46 J1#2.10 ; v1(23.49,53.47) 22.99,52.96 21.1,52.96 19.76,54.3 14.68,54.3 6.86,46.48 6.21,46.48 4.45,44.71 J11.1 4.32,43.69 4.32,28.7 J11.1 ; v1(57.78,53.72) 57.78,52.7 58.04,52.45 58.29,52.45 63.11,47.63 70.22,47.63 73.02,44.83 J11.28 J11.28 ; 69.98,54.23 70.1,54.1 v1(70.87,54.1) ; 69.98,54.23 79.38,44.83 J11.63 79.36,5.7 J11.63 33.64,5.72 J11.63 J11.63 ; 69.98,54.23 69.47,54.23 ; J11.57 J11.57 69.22,27.3 69.22,44.58 67.36,46.43 62.62,46.43 58.5,50.55 56.77,50.55 56.13,51.18 56.13,53.21 55.99,53.36 55.99,53.94 56.52,54.46 J1#2.27 ; J11.2 J11.2 6.98,45.08 15.4,53.5 19.38,53.5 20.94,51.94 23.49,51.94 24.77,53.21 v1(24.77,53.47) ; J11.41 J11.41 28.57,27.3 28.57,44.45 31.11,46.99 34.26,46.99 35.56,48.29 35.56,53.83 36.19,54.46 J1#2.11 ; J11.32 J11.32 5.71,27.3 5.71,44.83 6.86,45.97 7.11,45.97 15.04,53.9 19.56,53.9 21.01,52.45 23.29,52.45 24.13,53.29 24.13,53.72 24.77,54.36 J1#2.2 ; J11.60 77.99,10.91 77.99,25.92 J11.60 76.83,27.3 76.83,44.7 68.34,53.2 59.96,53.2 59.69,53.47 59.69,53.83 60.33,54.46 J1#2.30 ; J11.49 J11.49 48.89,27.3 48.89,44.32 45.72,47.5 45.72,53.83 46.36,54.46 J1#2.19 ; J1#2.21 48.89,54.61 48.26,53.97 48.26,53.32 48.62,52.96 49.04,52.96 50.04,51.96 50.04,48.08 53.97,44.14 53.97,27.3 J11.51 J11.51 ; v1(33.66,53.72) 33.66,53.21 24.77,44.32 J11.9 J11.9 ; J1#2.62 62.86,55.37 63.5,54.74 71.12,54.74 ; v1(47.62,53.72) 47.62,48.26 49.53,46.35 50.8,46.35 52.7,44.45 J11.20 J11.20 ; v1(48.89,53.72) 48.89,53.68 50.55,52.03 50.55,48.39 55.12,43.81 J11.21 J11.21 ; J11.56 J11.56 66.67,27.3 66.67,44.58 65.62,45.63 62.28,45.63 58.45,49.47 56.32,49.47 55.12,50.67 55.12,52.95 54.72,53.35 54.72,53.94 55.25,54.46 J1#2.26 ; v1(28.57,53.72) 28.57,53.21 24.26,48.89 21.72,48.89 19.3,46.48 16.89,46.48 14.6,44.2 J11.5 J11.5 ; J11.26 J11.26 67.94,44.71 66.63,46.03 62.45,46.03 58.44,50.04 56.52,50.04 55.63,50.93 55.63,53.14 55.25,53.52 v1(55.25,53.72) ; J1#2.23 51.44,54.46 50.8,53.83 50.8,53.61 52.07,52.34 52.07,49.15 54.93,46.29 57.47,46.29 59.05,44.7 59.05,27.3 J11.53 J11.53 ; J1#2.4 27.3,54.48 26.67,53.85 26.67,53.21 23.88,50.42 21.08,50.42 20.81,50.14 16.62,50.14 10.8,44.32 10.8,27.3 J11.34 J11.34 ; J11.52 J11.52 56.52,27.3 56.52,44.45 55.88,45.08 54.61,45.08 51.05,48.64 51.05,52.09 49.64,53.5 49.64,53.94 50.16,54.46 J1#2.22 ; J11.6 J11.6 17.14,44.32 18.29,45.47 19.81,45.47 22.23,47.88 24.51,47.88 29.84,53.21 v1(29.84,53.72) ; v1(34.92,53.72) 35.05,53.59 35.05,48.52 33.97,47.43 30.16,47.43 27.3,44.58 J11.10 J11.10 ; 71.12,54.74 80.01,45.85 80.01,38.48 80.52,37.98 80.52,4.32 J11.64 79.36,3.16 3.19,3.16 J11.64 ; J1#2.15 41.27,54.48 40.64,53.85 40.64,46.23 39.62,45.21 39.24,45.21 38.73,44.7 38.73,27.3 J11.45 J11.45 ; J1#2.20 47.62,54.46 46.99,53.83 46.99,48.01 49.53,45.47 50.42,45.47 51.44,44.45 51.44,27.3 J11.50 J11.50 ; J1#2.18 45.08,54.46 44.45,53.83 44.45,46.74 46.36,44.83 46.36,27.3 J11.48 J11.48 ; v1(32.39,53.72) 32.39,53.21 25.02,45.85 23.27,45.85 22.23,44.8 J11.8 J11.8 ; v1(51.44,53.72) 51.44,53.66 52.58,52.52 52.58,49.4 55.12,46.86 58.17,46.86 60.33,44.7 J11.23 J11.23 ; J1#2.28 57.78,54.46 57.15,53.83 57.15,52.32 57.78,51.69 58.49,51.69 62.95,47.23 69.35,47.23 71.75,44.83 71.75,27.3 J11.58 J11.58 ; J1#2.8 32.39,54.68 31.64,53.94 31.64,53.1 24.89,46.35 23.02,46.35 20.95,44.29 20.95,27.3 J11.38 J11.38 ; J1#2.7 31.11,54.46 30.37,53.72 30.37,53.08 24.66,47.37 22.48,47.37 20.06,44.95 18.92,44.95 18.41,44.45 18.41,27.3 J11.37 J11.37 ; J1#2.3 26.03,54.48 25.29,53.74 25.29,53.1 23.62,51.43 20.83,51.43 19.16,53.1 15.77,53.1 8.25,45.59 8.25,27.3 J11.33 J11.33 ; 69.47,54.23 61.85,54.23 61.59,54.48 J1#2.61 ; 69.47,54.23 68.71,54.23 ; v1(18.41,54.99) 18.16,54.74 14.25,54.74 6.5,46.99 5.84,46.99 2.99,44.14 2.99,27.19 4.14,26.03 J11.31 J11.31 ; J11.14 J11.14 37.47,44.58 38.61,45.72 39.19,45.72 40,46.54 v1(40,53.72) ; J11.54 J11.54 61.59,27.3 61.59,44.06 58.28,47.37 55.37,47.37 53.09,49.66 53.09,52.6 52.18,53.5 52.18,53.94 52.7,54.46 J1#2.24 ; v1(20.95,53.85) 21.34,53.47 22.61,53.47 23.49,54.36 J1#2.1 ; v1(52.7,53.72) 52.7,53.55 53.59,52.66 53.59,49.91 55.63,47.88 58.34,47.88 61.79,44.43 62.25,44.43 J11.24 J11.24 ; v1(26.03,53.47) 26.03,53.21 23.75,50.93 20.7,50.93 18.92,52.7 16.13,52.7 9.52,46.1 J11.3 J11.3 ; v1(60.33,53.72) 69.09,53.72 78.11,44.7 J11.30 J11.30 ; v1(50.16,53.72) 50.16,53.66 51.56,52.27 51.56,48.89 54.74,45.72 56.52,45.72 57.78,44.45 J11.22 J11.22 ; J11.27 J11.27 70.48,44.71 68.38,46.82 67.53,46.82 67.53,46.83 62.78,46.83 58.56,51.05 57.02,51.05 56.67,51.41 56.67,53.25 56.52,53.4 v1(56.52,53.72) ; v1(36.19,53.72) 36.19,48.26 34.42,46.48 31.88,46.48 29.84,44.45 J11.11 J11.11 ; v1(45.08,53.72) 45.08,47.19 47.62,44.65 J11.18 J11.18 ; J1#2.12 37.47,54.46 36.83,53.83 36.83,48.13 34.67,45.97 32.64,45.97 31.11,44.45 31.11,27.3 J11.42 J11.42 ; v1(43.81,53.72) 43.81,45.98 45.08,44.71 J11.17 J11.17 ; J1#2.25 53.97,54.46 53.45,53.94 53.45,53.37 54.11,52.71 54.1,52.7 54.1,50.16 55.87,48.39 58.39,48.39 61.95,44.83 62.01,44.83 63.63,44.83 64.14,44.32 64.14,27.3 J11.55 J11.55 ; J11.19 J11.19 50.16,43.94 46.36,47.75 v1(46.36,53.72) ; J11.29 J11.29 75.56,44.83 67.71,52.68 59.58,52.68 59.05,53.21 v1(59.05,53.72) ; v1(37.47,53.72) 37.47,48.01 34.92,45.47 33.4,45.47 32.39,44.45 J11.12 J11.12 ; J1#2.13 38.73,54.46 38.1,53.83 38.1,47.75 35.31,44.96 34.16,44.96 33.66,44.45 33.66,27.3 J11.43 J11.43 ; J11.47 J11.47 43.81,27.3 43.81,44.96 43.18,45.59 43.18,53.83 43.81,54.46 J1#2.17 ; J11.46 J11.46 41.27,27.3 41.27,44.96 41.91,45.59 41.91,53.83 42.55,54.46 J1#2.16 ; v1(38.73,53.72) 38.73,47.62 J11.13 J11.13 ; v1(27.3,53.47) 27.3,53.21 24,49.91 21.21,49.91 18.8,47.5 16.05,47.5 12.37,43.81 J11.4 J11.4 ; J1#2.6 29.84,54.48 29.1,53.74 29.1,53.1 24.38,48.39 21.97,48.39 19.56,45.97 17.65,45.97 15.88,44.2 15.88,27.3 J11.36 J11.36 ; v1(42.55,53.72) J11.16 J11.16 ; J11.7 J11.7 22.73,46.86 24.77,46.86 31.11,53.21 v1(31.11,53.72) ; J11.44 J11.44 36.19,27.3 36.19,44.2 39.37,47.37 39.37,53.83 40,54.46 J1#2.14
